# KiCad board Keyboard.kicad_pcb (continued)
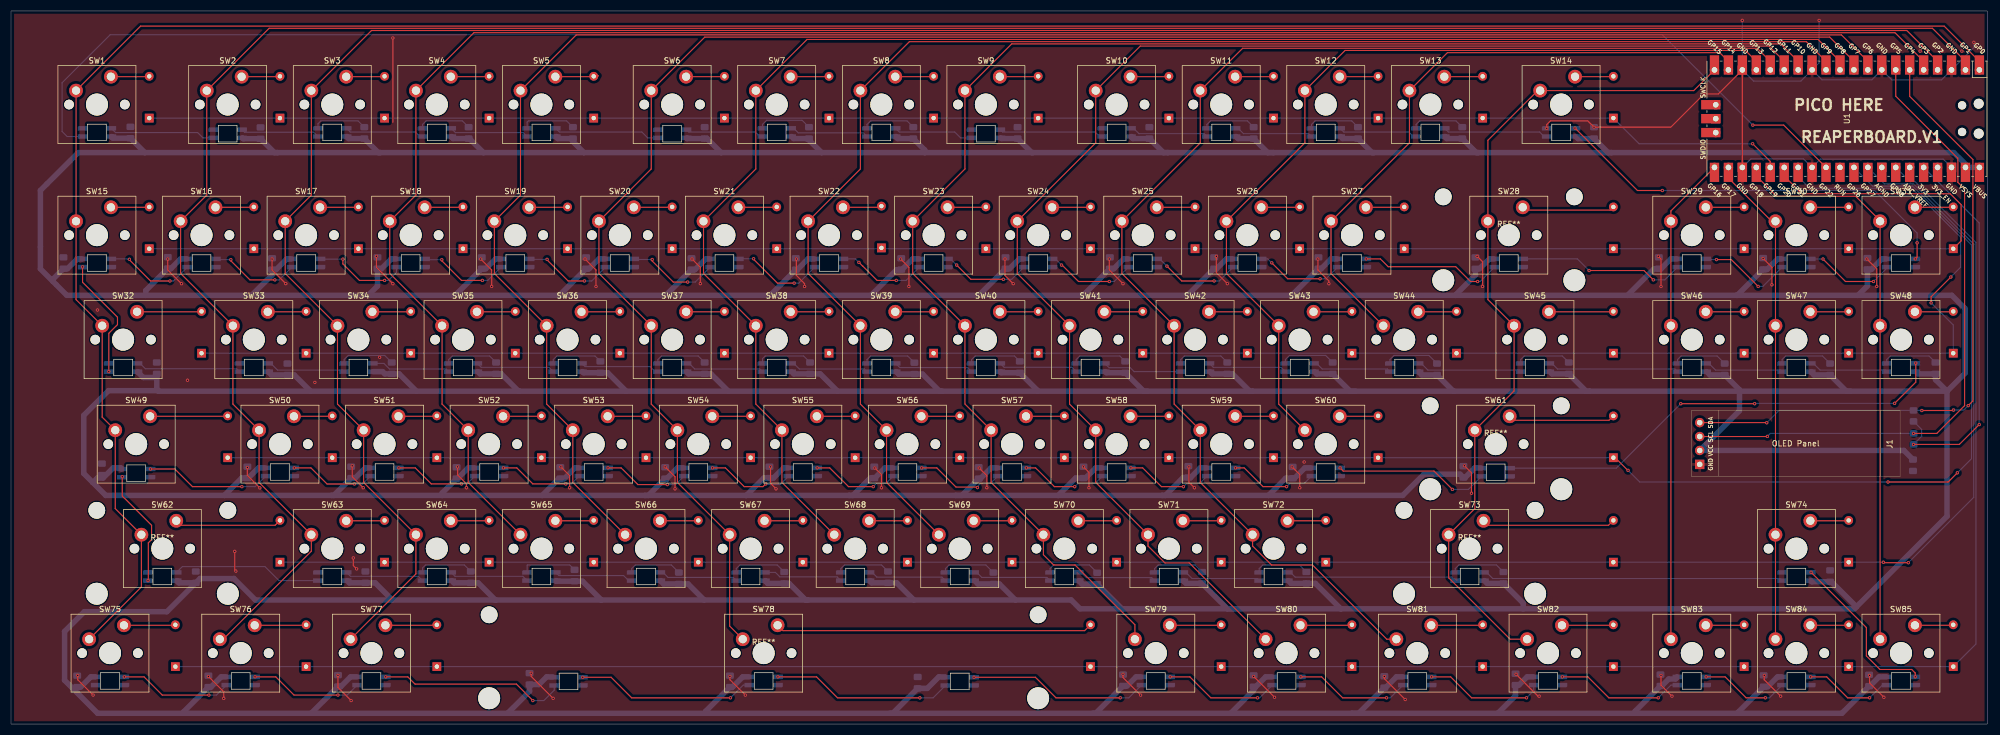
[diagram p0: board, top side]
## Routing (per net, layer and track width the routed paths; a pad name or vN(x,y) marks a point on that pad's centre or on a via; arc(x,y) is an arc through that point) (continued)
C1: length 464.7
  Top w0.2: U1.1 358.56,120.82 352.14,127.24 23.61,127.24 SW1.1 SW15.1 11.85,77.38 SW32.1 16.61,55.95 SW49.1 18.99,39.28 SW62.1 23.76,24.99 SW75.1
C2: length 448.2
  Top w0.2: U1.2 356.02,120.82 350,126.84 47.02,126.84 SW2.1 35.66,96.43 SW16.1 30.9,82.14 SW33.1 40.42,58.33 SW50.1 45.19,44.04 SW63.1 54.71,31.51 38.67,15.47 SW76.1
C3: length 421.4
  Top w0.2: U1.4 350.94,120.82 345.32,126.44 65.67,126.44 SW3.1 54.71,96.43 SW17.1 49.95,82.14 59.47,72.62 59.47,58.33 SW51.1 64.24,44.04 SW64.1 73.76,27.37 SW77.1
C4: length 375.5
  Top w0.2: SW65.1 83.29,44.04 SW52.1 78.52,58.33 SW35.1 69,82.14 SW18.1 73.76,96.43 SW4.1 84.32,126.04 343.18,126.04 348.4,120.82 U1.5
C5: length 346
  Top w0.2: SW66.1 102.34,44.04 SW53.1 97.57,58.33 SW36.1 88.05,82.14 SW19.1 92.81,96.43 SW5.1 102.97,125.64 333.42,125.64 338.24,120.82 U1.9
C6: length 341.3
  Top w0.2: U1.10 335.7,120.82 331.28,125.24 126.38,125.24 SW6.1 116.62,101.19 SW20.1 107.1,82.14 SW37.1 116.62,58.33 SW54.1 121.39,44.04 SW67.1 130.91,17.85 SW78.1
C7: length 299.3
  Top w0.2: SW68.1 140.44,44.04 SW55.1 135.67,58.33 SW38.1 126.15,82.14 SW21.1 135.67,101.19 SW7.1 145,124.81 329.17,124.81 333.16,120.82 U1.11
C8: length 277.4
  Top w0.2: U1.12 330.62,120.82 327.03,124.41 163.65,124.41 SW8.1 154.72,101.19 SW22.1 145.2,82.14 SW39.1 154.72,58.33 SW56.1 159.49,44.04 SW69.1
C9: length 281.2
  Top w0.2: SW79.1 204.73,18.09 193.82,29 189.92,29 188.06,30.86 SW70.1 178.54,44.04 SW57.1 173.77,58.33 SW40.1 164.25,82.14 SW23.1 173.77,101.19 SW9.1 182.3,124 322.36,124 325.54,120.82 U1.14
C10: length 258.8
  Top w0.2: SW80.1 214.64,29.37 210.21,29.37 207.11,32.46 SW71.1 197.59,44.04 SW58.1 192.82,58.33 SW41.1 183.3,82.14 SW24.1 197.59,105.96 SW10.1 205.71,123.6 320.22,123.6 323,120.82 U1.15
C11: length 241.6
  Top w0.2: SW81.1 250.6,15.47 237.07,29 229.63,29 226.16,32.46 SW72.1 216.64,44.04 SW59.1 211.87,58.33 SW42.1 202.35,82.14 SW25.1 216.64,105.96 SW11.1 224.36,123.2 318.08,123.2 320.46,120.82 U1.16
C12: length 161.4
  Top w0.2: SW60.1 230.92,58.33 SW43.1 221.4,82.14 SW26.1 235.69,105.96 SW12.1 243.01,122.8 315.94,122.8 317.92,120.82 U1.17
C13: length 115.9
  Top w0.2: SW44.1 240.45,82.14 SW27.1 254.74,105.96 SW13.1 261.66,122.4 311.26,122.4 312.84,120.82 U1.19
C14: length 152.2
  Top w0.2: SW82.1 273.07,15.47 261.88,26.66 SW73.1 266.64,39.28 SW61.1 273.79,60.71 SW45.1 269.02,77.38 SW28.1 269.02,106.42 278.09,115.48 SW14.1 306.52,115.48 U1.20
C15: length 89.3
  Top w0.2: SW83.1 SW46.1 SW29.1 302.36,93.54 U1.21
C16: length 90
  Top w0.2: SW84.1 SW74.1 SW47.1 SW30.1 320.71,91.67 312.84,99.54 U1.22
C17: length 103.8
  Top w0.2: SW85.1 SW48.1 SW31.1 340.46,91.78 336.02,96.21 321.62,96.21 317.92,99.92 U1.24
LED: length 348
  Top w0.2: U1.29 322.91,109.19 v1(317.29,109.19)
  Bottom w0.2: v1(317.29,109.19) 300.81,125.67 18.07,125.67 9.31,116.91 9.31,108.03 10.23,107.11 D86.3
R1: length 299.6
  Top w0.2: v1(317.25,105.79) 320.46,102.58 U1.25
  Bottom w0.2: v1(317.25,105.79) 296.56,105.79 D14.1 D13.1 D8.1 D5.1 D4.1 D3.1 D2.1 D1.1
R2: length 373.3
  Top w0.2: U1.26 323,99.92 326.24,96.68 351.97,96.68 351.98,96.67 353.26,96.67 355.23,94.7 355.23,88.09 D31.1
  Bottom w0.2: D15.1 D16.1 D17.1 D18.1 D19.1 D20.1 D21.1 158.41,86.66 D22.1 158.71,86.66 D23.1 D24.1 D25.1 D26.1 D27.1 D28.1 D29.1 D30.1 D31.1
R3: length 380
  Top w0.2: v1(353.36,81.5) 349.76,77.9 v1(349.76,76.79)
  Bottom w0.2: D32.1 D33.1 D34.1 D35.1 D36.1 D37.1 D38.1 D39.1 D40.1 D41.1 D42.1 D43.1 D44.1 D45.1 D46.1 D47.1 D48.1 353.8,72.75 v1(349.76,76.79) ; U1.27 325.54,99.78 327.65,97.67 346.22,97.67 355.13,88.76 355.13,83.27 v1(353.36,81.5)
R4: length 387.5
  Top w0.2: v1(354.54,45.8) 352.87,44.13 v1(341.91,44.13) ; v1(294.56,46.25) 294.52,46.25 292.21,48.56 D61.1
  Bottom w0.2: D61.1 D60.1 D59.1 D58.1 D57.1 D56.1 D55.1 D54.1 D53.1 D52.1 D51.1 D50.1 D49.1 ; v1(294.56,46.25) 296.68,44.13 v1(341.91,44.13) ; v1(354.54,45.8) 357.12,48.38 357.12,87.33 346.38,98.07 339.11,98.07 U1.31
R5: length 384.7
  Top w0.2: v1(345.61,29.41) 341.15,29.41 v1(341.06,29.5)
  Bottom w0.2: U1.32 341.25,98.47 346.55,98.47 357.52,87.5 357.52,41.33 v1(345.61,29.41) ; v1(341.06,29.5) 341.05,29.51 D74.1 D73.1 D72.1 D71.1 D70.1 D69.1 D68.1 D67.1 D66.1 D65.1 D64.1 D63.1 D62.1
R6: length 423.2
  Bottom w0.2: U1.34 345.93,98.87 346.86,98.87 357.92,87.81 357.92,14.59 D85.1 D84.1 D83.1 D82.1 D81.1 D80.1 D79.1 D78.1 D77.1 D76.1 D75.1
SCL: length 117
  Top w0.2: v1(346.56,52.98) 350.79,52.98 355.86,58.05 355.86,97.54 354.63,98.77 354.63,103.15 343.32,114.46 U1.7 ; 307.61,52.41 319.9,52.41 v1(319.93,52.44)
  Bottom w0.2: v1(346.56,52.98) 320.47,52.98 v1(319.93,52.44)
SDA: length 116.6
  Top w0.2: v1(319.82,54.93) 319.79,54.95 J1.4 ; U1.6 345.86,114.43 357.37,102.92 357.37,58.9 v1(356.52,58.05) ; v1(348.08,57.16) 353.75,57.16 v1(353.84,57.25)
  Bottom w0.2: v1(319.82,54.93) 322.07,57.18 R2.1 348.06,57.18 v1(348.08,57.16) ; v1(353.84,57.25) 355.72,57.25 v1(356.52,58.05)
Net-(D1-A): length 7
  Top w0.2: D1.2 25.12,118.02 SW1.2
Net-(D2-A): length 7
  Top w0.2: SW2.2 48.93,118.02 D2.2
Net-(D3-A): length 7
  Top w0.2: D3.2 67.98,118.02 SW3.2
Net-(D4-A): length 7
  Top w0.2: SW4.2 87.03,118.02 D4.2
Net-(D5-A): length 7.9
  Top w0.2: SW5.2 106.83,118.02 107.01,118.2
Net-(D6-A): length 7
  Top w0.2: SW6.2 129.89,118.02 D6.2
Net-(D7-A): length 7
  Top w0.2: D7.2 148.94,118.02 SW7.2
Net-(D8-A): length 7
  Top w0.2: SW8.2 167.99,118.02 D8.2
Net-(D9-A): length 7
  Top w0.2: SW9.2 187.04,118.02 D9.2
Net-(D10-A): length 7
  Top w0.2: D10.2 210.85,118.02 SW10.2
Net-(D11-A): length 7
  Top w0.2: D11.2 229.9,118.02 SW11.2
Net-(D12-A): length 7
  Top w0.2: SW12.2 248.95,118.02 D12.2
Net-(D13-A): length 7
  Top w0.2: D13.2 268,118.02 SW13.2
Net-(D14-A): length 7
  Top w0.2: SW14.2 291.82,118.02 D14.2
Net-(D15-A): length 7
  Top w0.2: D15.2 25.12,94.21 SW15.2
Net-(D16-A): length 7
  Top w0.2: D16.2 44.17,94.21 SW16.2
Net-(D17-A): length 7
  Top w0.2: D17.2 63.22,94.21 SW17.2
Net-(D18-A): length 7
  Top w0.2: D18.2 82.27,94.21 SW18.2
Net-(D19-A): length 7
  Top w0.2: SW19.2 101.32,94.21 D19.2
Net-(D20-A): length 7
  Top w0.2: D20.2 120.37,94.21 SW20.2
Net-(D21-A): length 7
  Top w0.2: D21.2 139.42,94.21 SW21.2
Net-(D22-A): length 7.1
  Top w0.2: D22.2 158.34,94.21 SW22.2
Net-(D23-A): length 7
  Top w0.2: SW23.2 177.52,94.21 D23.2
Net-(D24-A): length 7
  Top w0.2: SW24.2 196.57,94.21 D24.2
Net-(D25-A): length 7
  Top w0.2: SW25.2 215.62,94.21 D25.2
Net-(D26-A): length 7
  Top w0.2: SW26.2 234.67,94.21 D26.2
Net-(D27-A): length 7
  Top w0.2: SW27.2 253.72,94.21 D27.2
Net-(D28-A): length 17
  Top w0.2: D28.2 291.3,93.69 275.89,93.69 SW28.2
Net-(D29-A): length 7
  Top w0.2: D29.2 315.63,94.21 SW29.2
Net-(D30-A): length 7
  Top w0.2: SW30.2 334.68,94.21 D30.2
Net-(D31-A): length 7
  Top w0.2: SW31.2 353.73,94.21 D31.2
Net-(D32-A): length 11.8
  Top w0.2: SW32.2 34.64,75.16 D32.2
Net-(D33-A): length 7
  Top w0.2: SW33.2 53.69,75.16 D33.2
Net-(D34-A): length 7
  Top w0.2: D34.2 72.74,75.16 SW34.2
Net-(D35-A): length 7
  Top w0.2: D35.2 91.79,75.16 SW35.2
Net-(D36-A): length 7
  Top w0.2: 103.92,75.16 110.84,75.16 D36.2
Net-(D37-A): length 7
  Top w0.2: SW37.2 129.89,75.16 D37.2
Net-(D38-A): length 7
  Top w0.2: SW38.2 148.94,75.16 D38.2
Net-(D39-A): length 7
  Top w0.2: D39.2 167.99,75.16 SW39.2
Net-(D40-A): length 7
  Top w0.2: D40.2 187.04,75.16 SW40.2
Net-(D41-A): length 7
  Top w0.2: D41.2 206.09,75.16 199.17,75.16
Net-(D42-A): length 7
  Top w0.2: SW42.2 225.14,75.16 D42.2
Net-(D43-A): length 7
  Top w0.2: 237.27,75.16 244.19,75.16 D43.2
Net-(D44-A): length 7
  Top w0.2: D44.2 263.24,75.16 256.32,75.16
Net-(D45-A): length 11.8
  Top w0.2: D45.2 291.82,75.16 SW45.2
Net-(D46-A): length 7
  Top w0.2: SW46.2 315.63,75.16 D46.2
Net-(D47-A): length 7
  Top w0.2: SW47.2 334.68,75.16 D47.2
Net-(D48-A): length 7
  Top w0.2: SW48.2 353.73,75.16 D48.2
Net-(D49-A): length 14.2
  Top w0.2: SW49.2 39.4,56.11 D49.2
Net-(D50-A): length 7
  Top w0.2: D50.2 58.45,56.11 SW50.2
Net-(D51-A): length 7
  Top w0.2: SW51.2 77.5,56.11 D51.2
Net-(D52-A): length 7
  Top w0.2: SW52.2 96.55,56.11 D52.2
Net-(D53-A): length 7
  Top w0.2: SW53.2 115.6,56.11 D53.2
Net-(D54-A): length 7
  Top w0.2: D54.2 134.65,56.11 SW54.2
Net-(D55-A): length 7
  Top w0.2: SW55.2 153.7,56.11 D55.2
Net-(D56-A): length 7
  Top w0.2: D56.2 172.75,56.11 SW56.2
Net-(D57-A): length 7.8
  Top w0.2: SW57.2 192.23,56.11 192.58,55.76
Net-(D58-A): length 7
  Top w0.2: SW58.2 210.85,56.11 D58.2
Net-(D59-A): length 7
  Top w0.2: SW59.2 229.9,56.11 D59.2
Net-(D60-A): length 7
  Top w0.2: SW60.2 248.95,56.11 D60.2
Net-(D61-A): length 19.5
  Top w0.2: D61.2 291.09,55.38 273.72,55.38 SW61.2
Net-(D62-A): length 19.6
  Top w0.2: SW62.2 30.93,36.24 48.11,36.24 D62.2
Net-(D63-A): length 7
  Top w0.2: D63.2 67.98,37.06 SW63.2
Net-(D64-A): length 7
  Top w0.2: SW64.2 87.03,37.06 D64.2
Net-(D65-A): length 7
  Top w0.2: SW65.2 106.08,37.06 D65.2
Net-(D66-A): length 7
  Top w0.2: SW66.2 125.13,37.06 D66.2
Net-(D67-A): length 7
  Top w0.2: D67.2 144.18,37.06 SW67.2
Net-(D68-A): length 7
  Top w0.2: SW68.2 163.23,37.06 D68.2
Net-(D69-A): length 7
  Top w0.2: D69.2 182.28,37.06 SW69.2
Net-(D70-A): length 7
  Top w0.2: D70.2 201.33,37.06 SW70.2
Net-(D71-A): length 7
  Top w0.2: SW71.2 220.38,37.06 D71.2
Net-(D72-A): length 7
  Top w0.2: D72.2 239.43,37.06 SW72.2
Net-(D73-A): length 24.4
  Top w0.2: D73.2 291,36.24 269.05,36.24 SW73.2
Net-(D74-A): length 7
  Top w0.2: SW74.2 334.68,37.06 D74.2
Net-(D75-A): length 9.4
  Top w0.2: D75.2 29.87,18.01 SW75.2
Net-(D76-A): length 9.4
  Top w0.2: D76.2 53.68,18.01 SW76.2
Net-(D77-A): length 9.4
  Top w0.2: SW77.2 77.49,18.01 D77.2
Net-(D78-A): length 57.8
  Top w0.2: D78.2 195.57,17.03 140.62,17.03 SW78.2
Net-(D79-A): length 9.4
  Top w0.2: SW79.2 220.37,18.01 D79.2
Net-(D80-A): length 9.4
  Top w0.2: D80.2 244.18,18.01 SW80.2
Net-(D81-A): length 9.4
  Top w0.2: D81.2 267.99,18.01 SW81.2
Net-(D82-A): length 9.4
  Top w0.2: D82.2 291.8,18.01 SW82.2
Net-(D83-A): length 7
  Top w0.2: SW83.2 315.62,18.01 D83.2
Net-(D84-A): length 7
  Top w0.2: SW84.2 334.67,18.01 D84.2
Net-(D85-A): length 7
  Top w0.2: SW85.2 353.72,18.01 D85.2
Net-(D86-DOUT): length 19.3
  Bottom w0.2: D86.1 19.04,107.83 34.01,107.83 34.97,106.87 D87.3
Net-(D87-DOUT): length 14.4
  Bottom w0.2: D88.3 55.14,107.89 42.55,107.89 D87.1
Net-(D88-DOUT): length 14.5
  Bottom w0.2: D88.1 61.81,107.93 73.67,107.93 74.48,107.11 D89.3
Net-(D89-DOUT): length 14.5
  Bottom w0.2: D89.1 80.96,107.82 93.31,107.82 D90.3
Net-(D90-DOUT): length 19.3
  Bottom w0.2: D90.1 99.91,107.93 114.91,107.93 115.97,106.87 D91.3
Net-(D91-DOUT): length 14.4
  Bottom w0.2: D91.1 123.47,107.93 135.58,107.93 136.39,107.11 136.88,107.11
Net-(D92-DOUT): length 14.5
  Bottom w0.2: D93.3 155.27,107.78 143.41,107.78 142.57,108.61 D92.1
Net-(D93-DOUT): length 14.6
  Bottom w0.2: D93.1 161.82,107.93 171.91,107.93 172.97,106.87 D94.3
Net-(D94-DOUT): length 19.1
  Bottom w0.2: D95.3 198.31,107.11 197.49,107.93 180.62,107.93 D94.1
Net-(D95-DOUT): length 14.5
  Bottom w0.2: D95.1 204.49,108.61 205.47,107.63 217.33,107.63 D96.3
Net-(D96-DOUT): length 14.5
  Bottom w0.2: D97.3 236.38,107.63 224.52,107.63 223.54,108.61 D96.1
Net-(D97-DOUT): length 14.5
  Bottom w0.2: D97.1 242.78,107.93 254.64,107.93 255.46,107.11 D98.3
Net-(D98-DOUT): length 19.2
  Bottom w0.2: D98.1 261.83,107.93 278.45,107.93 279.27,107.11 D99.3
Net-(D100-DIN): length 75.2
  Top w0.2: v1(347.21,87.73) 347.21,85.14 v1(346.87,84.8) ; v1(284.89,108.65) 296.27,97.27 v1(300.8,97.27)
  Bottom w0.2: v1(284.89,108.65) 284.93,108.61 D99.1 ; v1(300.8,97.27) 339.46,97.27 347.21,89.52 v1(347.21,87.73)
Net-(D100-DOUT): length 16.8
  Top w0.2: v1(339.26,80.68) 334.16,80.68 v1(330.06,84.78)
  Bottom w0.2: D100.1 341.67,83.09 v1(339.26,80.68) ; D101.3 328.3,84.8 328.32,84.78 v1(330.06,84.78)
Net-(D101-DOUT): length 17.4
  Top w0.2: v1(310.66,84.68) 313.36,84.68 v1(318.26,79.78)
  Bottom w0.2: v1(310.66,84.68) 308.89,84.68 D102.3 ; v1(318.26,79.78) 319.1,79.78 D101.1
Net-(D102-DOUT): length 30.7
  Top w0.2: v1(287.46,82.68) 297.46,82.68 v1(299.16,80.98)
  Bottom w0.2: v1(299.16,80.98) 301.25,80.98 D102.1 ; v1(287.46,82.68) 285.34,84.8 D103.3
Net-(D103-DOUT): length 26.2
  Top w0.2: v1(246.86,84.8) 249.44,84.8 250.86,83.38 263.16,83.38 265.86,80.68 v1(267.16,80.68)
  Bottom w0.2: 270.23,83.25 270.23,83.3 267.61,80.68 v1(267.16,80.68)
Net-(D104-DOUT): length 16.2
  Top w0.2: v1(229.66,84.08) 232.56,81.18 v1(238.46,81.18)
  Bottom w0.2: D104.1 239.54,81.18 v1(238.46,81.18) ; D105.3 228.94,84.8 v1(229.66,84.08)
Net-(D105-DOUT): length 16.6
  Top w0.2: v1(210.56,83.48) 213.26,80.78 v1(219.16,80.78)
  Bottom w0.2: D106.3 209.24,84.8 v1(210.56,83.48) ; D105.1 220.09,80.78 v1(219.16,80.78)
Net-(D106-DOUT): length 16.6
  Top w0.2: v1(200.06,80.68) 194.46,80.68 191.46,83.68 v1(191.36,83.68)
  Bottom w0.2: D106.1 200.94,80.68 v1(200.06,80.68) ; v1(191.36,83.68) 190.24,84.8 D107.3
Net-(D107-DOUT): length 16.3
  Top w0.2: v1(180.76,81.08) 174.86,81.08 v1(172.26,83.68)
  Bottom w0.2: v1(172.26,83.68) 171.14,84.8 D108.3 ; D107.1 182.29,81.08 v1(180.76,81.08)
Net-(D108-DOUT): length 16.5
  Top w0.2: v1(154.45,84.17) 155.14,83.48 155.17,83.48 157.77,80.88 v1(161.26,80.88)
  Bottom w0.2: D109.3 153.82,84.8 v1(154.45,84.17) ; v1(161.26,80.88) 163.04,80.88 D108.1
Net-(D109-DOUT): length 17
  Top w0.2: v1(142.66,80.38) 139.61,80.38 135.27,84.72 v1(135.27,84.83)
  Bottom w0.2: D109.1 143.49,80.38 v1(142.66,80.38) ; v1(135.27,84.83) 132.87,84.83 132.84,84.8 D110.3
Net-(D110-DOUT): length 16.9
  Top w0.2: v1(123.26,80.58) 120.64,80.58 116.8,84.42 v1(116.8,84.69)
  Bottom w0.2: v1(123.26,80.58) 124.64,80.58 D110.1 ; v1(116.8,84.69) 114.15,84.69 114.04,84.8 D111.3
Net-(D111-DOUT): length 16.6
  Top w0.2: v1(104.46,80.78) 101.49,80.78 97.65,84.62 v1(97.65,84.72)
  Bottom w0.2: v1(97.65,84.72) 95.12,84.72 95.04,84.8 D112.3 ; D111.1 105.79,80.78 v1(104.46,80.78)
Net-(D112-DOUT): length 16.6
  Top w0.2: v1(85.86,80.88) 82.06,80.88 78.48,84.46 v1(78.48,84.65)
  Bottom w0.2: v1(78.48,84.65) 76.09,84.65 75.94,84.8 D113.3 ; D112.1 86.84,80.88 v1(85.86,80.88)
Net-(D113-DOUT): length 17.6
  Top w0.2: v1(68.06,80.88) 63.47,80.88 60.46,83.89 v1(60.46,84.76)
  Bottom w0.2: D114.3 57.04,84.8 57.08,84.76 v1(60.46,84.76) ; D113.1 70.21,82.33 68.76,80.88 v1(68.06,80.88)
Net-(D114-DOUT): length 16.5
  Top w0.2: v1(48.07,80.97) 48.06,80.98 43.53,80.98 40.05,84.46 v1(40.05,84.66)
  Bottom w0.2: D114.1 51.16,83.28 48.85,80.97 v1(48.07,80.97) ; D115.3 37.94,84.8 38.08,84.66 v1(40.05,84.66)
Net-(D115-DOUT): length 16.6
  Top w0.2: v1(28.96,80.78) 25.43,80.78 21.65,84.56 21.65,84.65 v1(21.57,84.73)
  Bottom w0.2: D116.3 21.31,84.8 21.38,84.73 v1(21.57,84.73) ; D115.1 29.59,80.78 v1(28.96,80.78)
Net-(D116-DOUT): length 22.4
  Top w0.2: v1(17.82,64.25) 17.82,71.24 19.4,72.82 19.4,74.17 13.04,80.53 v1(13.04,83.35)
  Bottom w0.2: D116.1 13.06,83.33 v1(13.04,83.35)
Net-(D117-DOUT): length 19.2
  Bottom w0.2: D117.1 23.51,65.75 24.48,64.78 41.1,64.78 D118.3
Net-(D118-DOUT): length 14.5
  Bottom w0.2: D119.3 60.4,64.53 48.54,64.53 47.32,65.75 46.83,65.75
Net-(D119-DOUT): length 14.5
  Bottom w0.2: D119.1 67.93,65.75 68.95,64.73 79.25,64.73 D120.3
Net-(D120-DOUT): length 14.5
  Bottom w0.2: D120.1 85.66,65.03 98.01,65.03 98.78,64.25
Net-(D121-DOUT): length 14.5
  Bottom w0.2: D122.3 117.34,64.25 116.43,65.17 104.57,65.17 D121.1
Net-(D122-DOUT): length 14.5
  Bottom w0.2: D122.1 123.52,65.75 124.54,64.73 136.4,64.73 136.88,64.25
Net-(D123-DOUT): length 14.5
  Bottom w0.2: D124.3 155.45,64.73 143.59,64.73 142.57,65.75 D123.1
Net-(D124-DOUT): length 14.5
  Bottom w0.2: D124.1 161.89,64.99 174.24,64.99 D125.3
Net-(D125-DOUT): length 14.5
  Bottom w0.2: D125.1 180.9,65.04 193.25,65.04 D126.3
Net-(D126-DOUT): length 14.5
  Bottom w0.2: D127.3 204.59,64.25 203.88,64.96 200.02,64.96 199.23,65.75
Net-(D127-DOUT): length 14.5
  Bottom w0.2: D128.3 231.36,65.03 219.01,65.03 D127.1
Net-(D128-DOUT): length 14.5
  Bottom w0.2: 237.33,65.75 237.82,65.75 238.84,64.73 250.7,64.73 D129.3
Net-(D129-DOUT): length 19.2
  Bottom w0.2: 256.38,65.75 256.87,65.75 258.09,64.53 274.72,64.53 D130.3
Net-(D130-DOUT): length 24
  Bottom w0.2: D131.3 303.09,64.73 281.71,64.73 280.69,65.75 D130.1
Net-(D131-DOUT): length 14.5
  Bottom w0.2: D131.1 309.26,65.75 310.48,64.53 322.34,64.53 D132.3
Net-(D132-DOUT): length 14.5
  Bottom w0.2: D133.3 341.39,64.53 329.53,64.53 328.31,65.75 D132.1
Net-(D133-DOUT): length 84
  Top w0.2: v1(346.97,65.81) 346.97,62.33 v1(343.11,58.47) ; v1(304.16,58.4) v1(317.62,58.4)
  Bottom w0.2: v1(343.11,58.47) 317.69,58.47 v1(317.62,58.4) ; D134.3 292.41,46.65 v1(304.16,58.4) ; D133.1 346.91,65.75 v1(346.97,65.81)
Net-(D134-DOUT): length 28.4
  Top w0.2: v1(262.56,42.78) 259.22,46.12 242.68,46.12 v1(242.1,46.7)
  Bottom w0.2: D134.1 265.48,42.78 v1(262.56,42.78)
Net-(D135-DOUT): length 16.1
  Top w0.2: v1(223.05,46.7) 224.64,46.7 228.06,43.28 v1(232.36,43.28)
  Bottom w0.2: v1(232.36,43.28) 232.96,43.88 235.58,43.88 D135.1
Net-(D136-DOUT): length 16.1
  Top w0.2: v1(204,46.7) 206.14,46.7 209.56,43.28 v1(213.56,43.28)
  Bottom w0.2: v1(213.56,43.28) 214.16,43.88 216.53,43.88 D136.1
Net-(D137-DOUT): length 16.1
  Top w0.2: v1(184.95,46.7) 186.64,46.7 190.06,43.28 193.76,43.28 v1(193.77,43.27)
  Bottom w0.2: D137.1 197.48,43.88 194.37,43.88 v1(193.77,43.27)
Net-(D138-DOUT): length 16.3
  Top w0.2: v1(165.9,46.7) 168.64,46.7 172.14,43.2 175.96,43.2 v1(176.05,43.11)
  Bottom w0.2: D138.1 178.43,43.88 177,43.88 176.97,43.85 176.59,43.85 176.05,43.31 v1(176.05,43.11)
Net-(D139-DOUT): length 16.1
  Top w0.2: v1(146.85,46.7) 149.14,46.7 152.56,43.28 v1(157.06,43.28)
  Bottom w0.2: D139.1 159.38,43.88 157.66,43.88 v1(157.06,43.28)
Net-(D140-DOUT): length 16.1
  Top w0.2: v1(137.48,43.78) 136.98,43.28 133.56,43.28 130.14,46.7 v1(127.8,46.7)
  Bottom w0.2: v1(137.48,43.78) 137.58,43.68 140.13,43.68 D140.1
Net-(D141-DOUT): length 15.8
  Top w0.2: v1(119.55,43.65) 114.18,43.65 111.14,46.7 v1(108.75,46.7)
  Bottom w0.2: v1(119.55,43.65) 121.05,43.65 D141.1
Net-(D142-DOUT): length 15.6
  Top w0.2: v1(89.7,46.7) 92.14,46.7 95.06,43.78 v1(101.06,43.78)
  Bottom w0.2: D142.1 103.48,45.2 102.06,43.78 v1(101.06,43.78)
Net-(D143-DOUT): length 15.6
  Top w0.2: v1(70.65,46.7) 73.64,46.7 76.56,43.78 v1(82.06,43.78)
  Bottom w0.2: D143.1 83.08,43.78 v1(82.06,43.78)
Net-(D144-DOUT): length 15.7
  Top w0.2: v1(51.6,46.7) 54.64,46.7 57.57,43.76 v1(62.56,43.76)
  Bottom w0.2: D144.1 64.01,43.76 v1(62.56,43.76)
Net-(D145-DOUT): length 23.1
  Top w0.2: v1(42.06,43.28) 33.06,43.28 29.84,46.49 v1(25.4,46.49)
  Bottom w0.2: D145.1 44.48,43.28 v1(42.06,43.28)
Net-(D146-DOUT): length 21.5
  Top w0.2: v1(20.27,45.09) 20.27,41.57 25.61,36.23 25.61,33.63 25.02,33.04 25.02,26.2 v1(24.97,26.15)
  Bottom w0.2: v1(20.27,45.09) 20.2,45.02 D146.1
Net-(D147-DOUT): length 27.3
  Bottom w0.2: D148.3 48.81,26.15 46.26,28.7 31.22,28.7 D147.1
Net-(D148-DOUT): length 14.5
  Bottom w0.2: D149.3 74.19,26.93 61.84,26.93 D148.1
Net-(D149-DOUT): length 14.5
  Bottom w0.2: D150.3 93.24,26.93 80.89,26.93 D149.1
Net-(D150-DOUT): length 14.5
  Bottom w0.2: D150.1 99.8,27.07 111.58,27.07 112.5,26.15 D151.3
Net-(D151-DOUT): length 14.5
  Bottom w0.2: D152.3 131.54,26.73 119.68,26.73 118.76,27.65 D151.1
Net-(D152-DOUT): length 14.5
  Bottom w0.2: D153.3 150.49,26.83 140.05,26.83 139.23,27.65 D152.1
Net-(D153-DOUT): length 14.5
  Bottom w0.2: D154.3 169.59,26.78 157.73,26.78 156.86,27.65 D153.1
Net-(D154-DOUT): length 14.5
  Bottom w0.2: D155.3 188.69,26.73 176.83,26.73 175.91,27.65 D154.1
Net-(D155-DOUT): length 14.5
  Bottom w0.2: D155.1 194.96,27.65 195.92,26.69 207.78,26.69 D156.3
Net-(D156-DOUT): length 14.5
  Bottom w0.2: D156.1 214.01,27.65 215.13,26.53 226.99,26.53 D157.3
Net-(D157-DOUT): length 31.1
  Bottom w0.2: D158.3 262.46,26.78 233.93,26.78 233.06,27.65 D157.1
Net-(D158-DOUT): length 55
  Bottom w0.2: D158.1 268.78,27.65 269.9,26.53 322.24,26.53 D159.3
Net-(D159-DOUT): length 30.4
  Top w0.2: v1(327.89,27.67) 337.97,17.59 337.97,12.42 340.44,9.95 346.22,9.95 346.87,9.3 v1(346.87,8.6)
  Bottom w0.2: D159.1 327.87,27.65 v1(327.89,27.67)
Net-(D160-DOUT): length 16.4
  Top w0.2: v1(338.56,4.78) 334.56,4.78 330.74,8.6 v1(327.82,8.6)
  Bottom w0.2: D160.1 340.88,7.1 v1(338.56,4.78)
Net-(D161-DOUT): length 16.4
  Top w0.2: v1(319.56,4.78) 316.06,4.78 312.24,8.6 v1(308.77,8.6)
  Bottom w0.2: D161.1 320.3,4.78 v1(319.56,4.78)
Net-(D162-DOUT): length 23.5
  Top w0.2: v1(282.58,8.6) 287.24,8.6 291.06,4.78 v1(300.06,4.78)
  Bottom w0.2: v1(300.06,4.78) 302.38,7.1 D162.1
Net-(D163-DOUT): length 21.7
  Top w0.2: v1(276.06,4.78) 266.06,4.78 262.24,8.6 v1(258.77,8.6)
  Bottom w0.2: D163.1 277.38,6.1 v1(276.06,4.78)
Net-(D164-DOUT): length 21.2
  Top w0.2: v1(250.56,4.78) 242.56,4.78 238.74,8.6 v1(234.95,8.6)
  Bottom w0.2: v1(250.56,4.78) 251.25,4.78 D164.1
Net-(D165-DOUT): length 21.2
  Top w0.2: v1(211.14,8.6) 214.74,8.6 218.56,4.78 v1(227.06,4.78)
  Bottom w0.2: D165.1 227.43,4.78 v1(227.06,4.78)
Net-(D166-DOUT): length 33
  Top w0.2: v1(202.06,4.78) 190.34,4.78 186.59,8.53 v1(175.42,8.53)
  Bottom w0.2: v1(202.06,4.78) 203.62,4.78 D166.1
Net-(D167-DOUT): length 33
  Top w0.2: v1(139.7,8.6) 146.74,8.6 150.56,4.78 v1(165.56,4.78)
  Bottom w0.2: D167.1 167.97,4.78 v1(165.56,4.78)
Net-(D168-DOUT): length 32.9
  Top w0.2: v1(131.06,4.78) 113.06,4.78 109.31,8.53 v1(104.16,8.53)
  Bottom w0.2: D168.1 133.38,7.1 v1(131.06,4.78)
Net-(D169-DOUT): length 34.1
  Top w0.2: v1(68.27,8.6) 72.28,8.6 73.6,7.28 92.06,7.28 v1(95.06,4.28)
  Bottom w0.2: v1(95.06,4.28) 97.06,4.28 98.96,6.18 D169.1
Net-(D170-DOUT): length 20.7
  Top w0.2: v1(59.56,5.28) 51.56,5.28 48.24,8.6 v1(44.45,8.6)
  Bottom w0.2: D170.1 61.25,5.28 v1(59.56,5.28)
Net-(D171-DOUT): length 20.7
  Top w0.2: v1(36.06,5.28) 27.56,5.28 24.24,8.6 v1(20.64,8.6)
  Bottom w0.2: D171.1 37.43,5.28 v1(36.06,5.28)

## Copper pours and planes (outline as drawn; the poured copper is in the pictures)
GND on Top, Bottom: 0.56,129.61 359.56,129.61 359.56,0.28 0.56,0.39

## Text on the board
F.Silkscreen: PICO HERE | REAPERBOARD.V1
